# Altium PCB Adapter_M2_B+M_to_E.PcbDoc
Units mm, origin at the board's own origin, x right, y up, seen from the top; angles counter-clockwise.
Board outline 80 x 22 mm, 4 copper layers (01_Top, 02_GND, 03_GND, 04_Bottom), stack 0.801 mm thick; 16 components, 47 nets, 175 pads, 303 vias.
Unrouted connection lines stored in the file: 36.
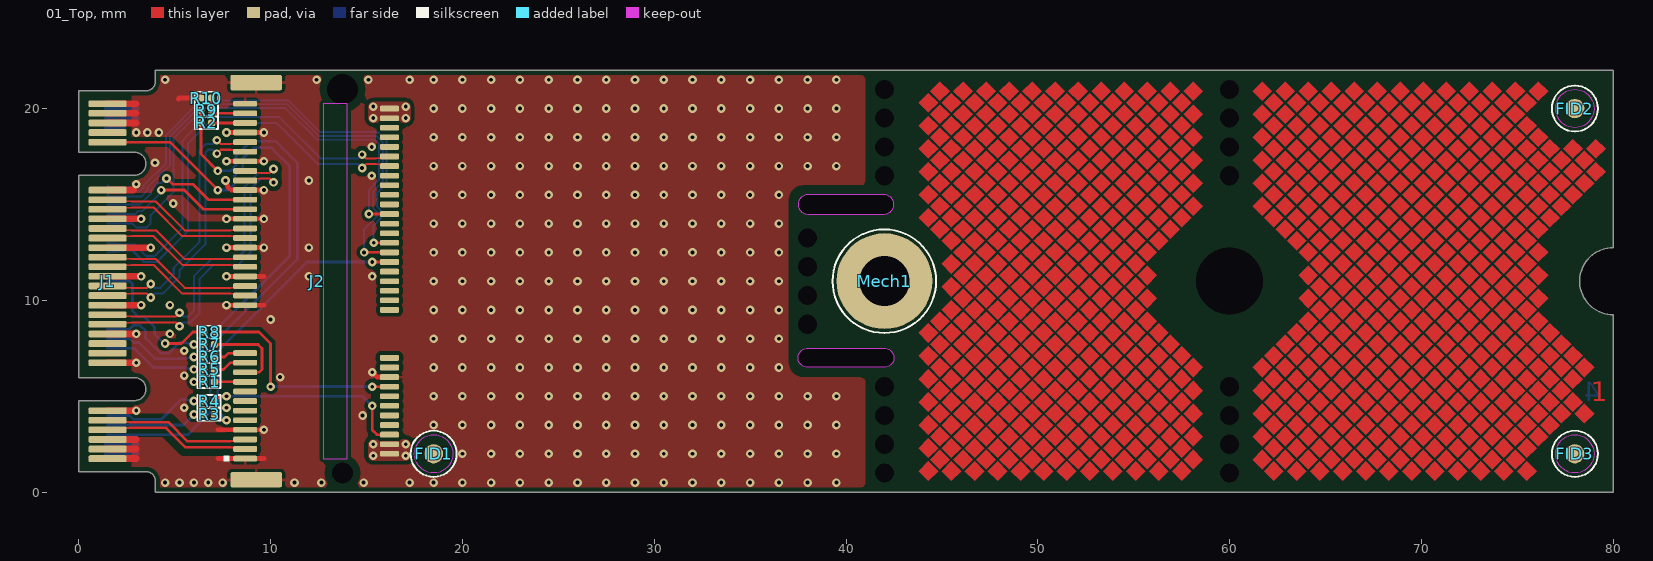
[diagram p0: 01_Top view]
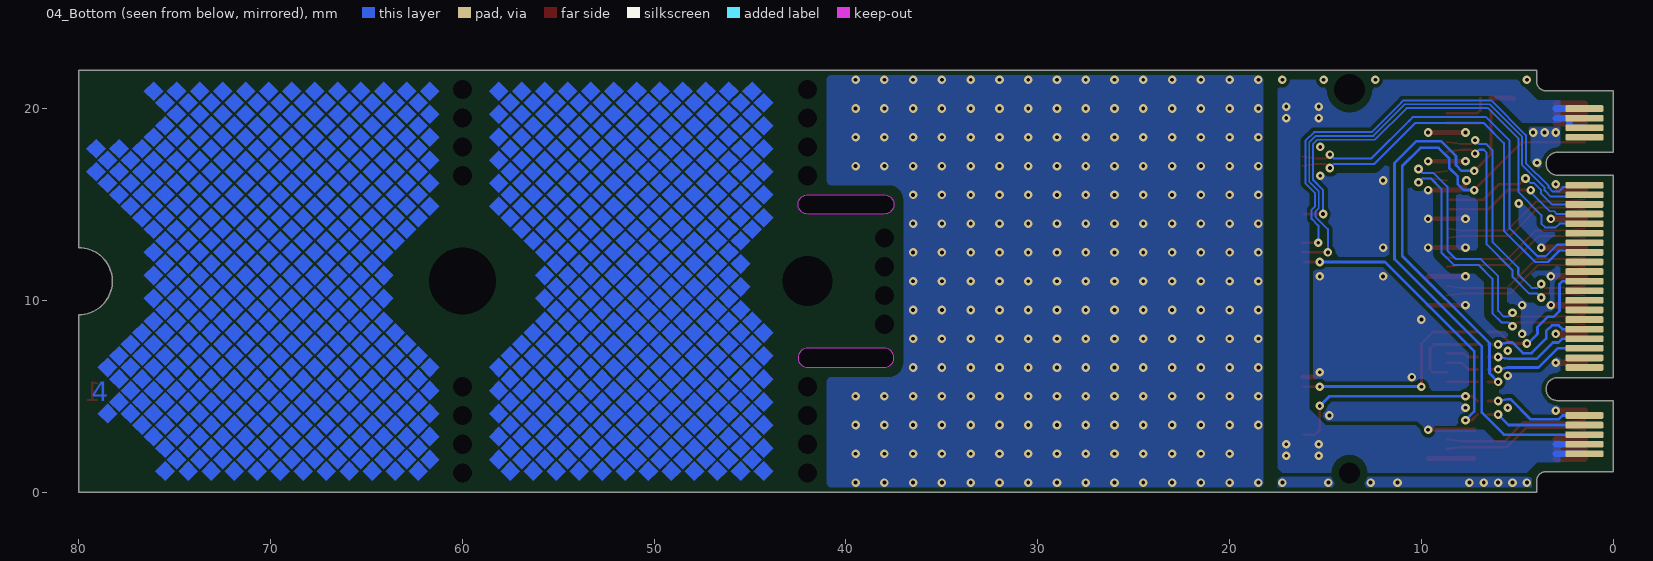
[diagram p1: 04_Bottom view, seen from below]
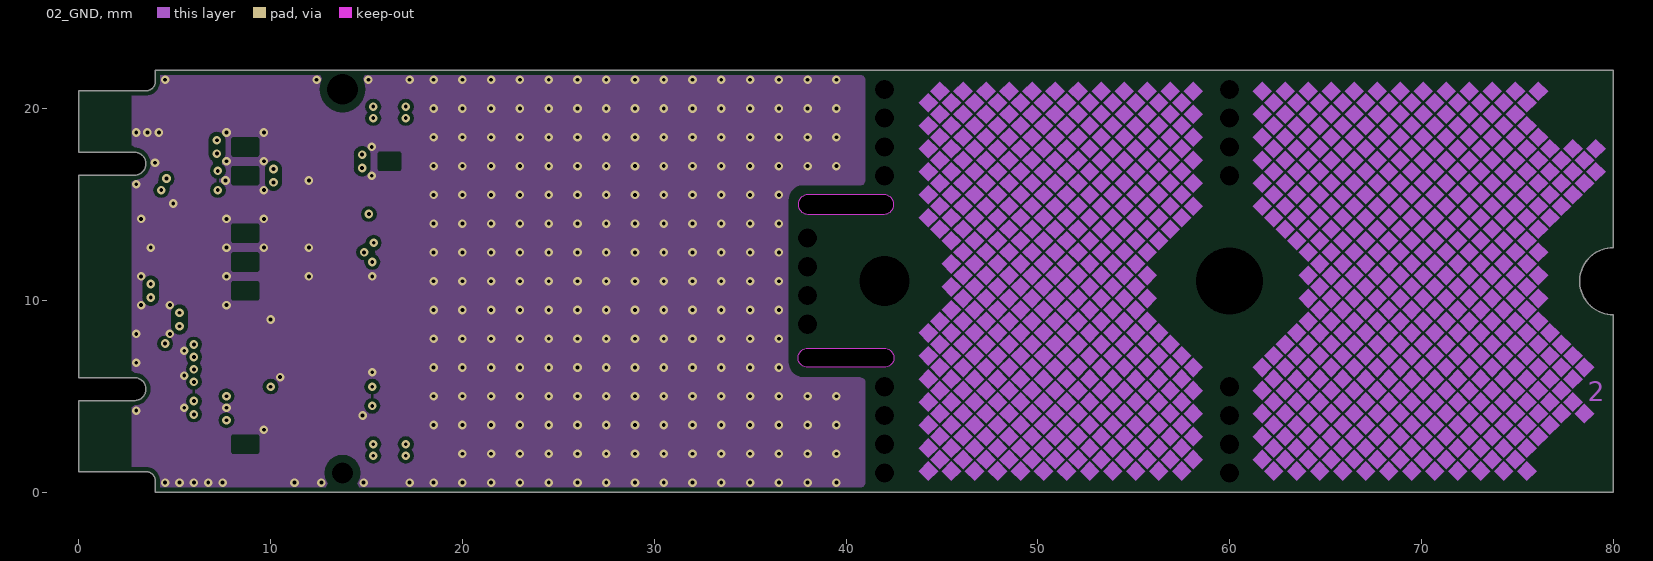
[diagram p2: 02_GND]
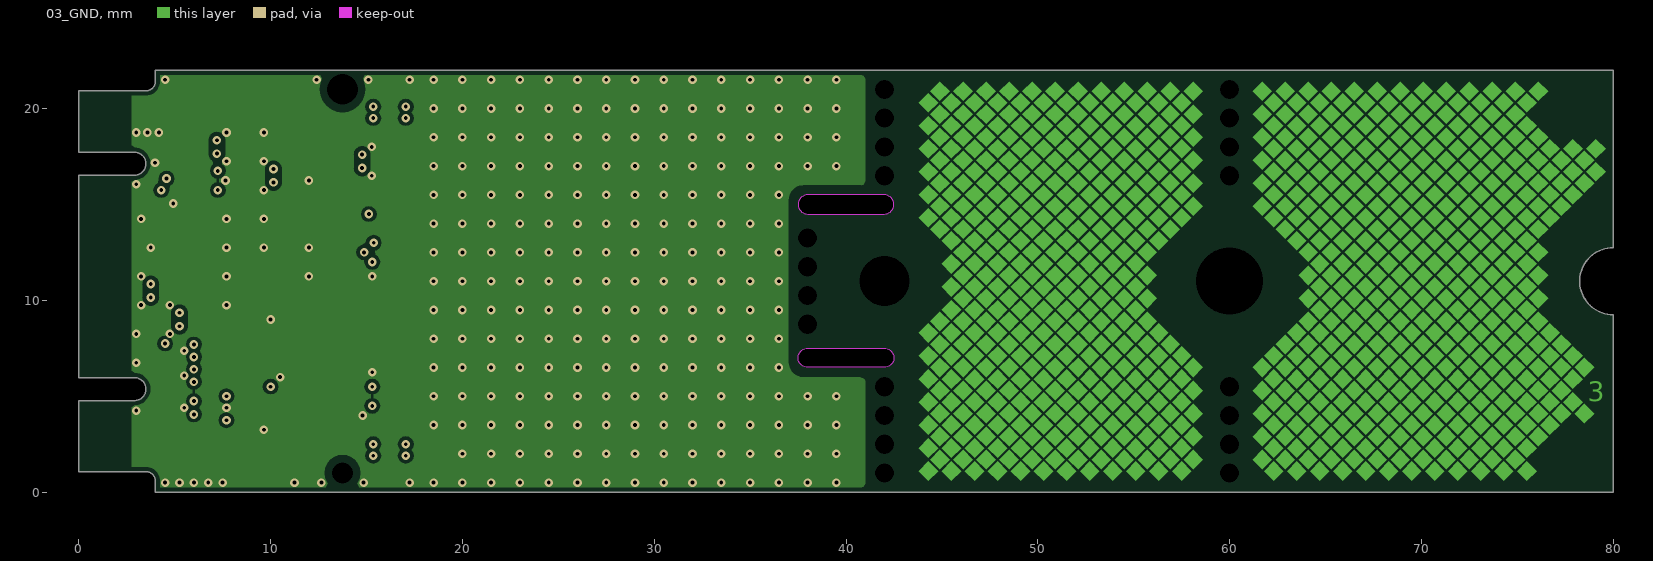
[diagram p3: 03_GND]
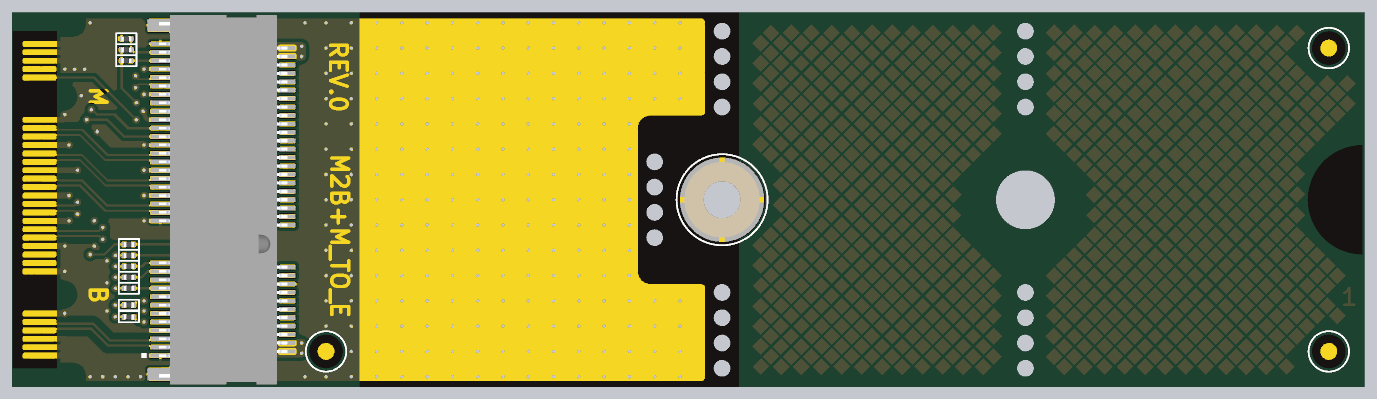
[diagram p4: 3D render of the assembled board from above, using the file's embedded part models]

## Layer stack, top to bottom
Top Solder: solder mask 0.01, Solder Resist, Dk 4
01_Top: signal copper 0.038
PP_01_S1000HB 3313 (57): prepreg 0.0946, PP-006, Dk 4.39
02_GND: signal copper 0.018
C_01_S1000H 2x7628+2116 (18): core 0.5, FR-4, Dk 4.63
03_GND: signal copper 0.018
PP_02_S1000HB 3313 (57): prepreg 0.0946, PP-006, Dk 4.39
04_Bottom: signal copper 0.038
Bottom Solder: solder mask 0.01, Solder Resist, Dk 4

## Board outline
0,1.075 0,4.775 2.9,4.775 ccw(c2.9,5.375) 2.9,5.975 0,5.975 0,16.525 2.9,16.525 ccw(c2.9,17.125) 2.9,17.725 0,17.725 0,20.925 3.5,20.925 ccw(c3.5,21.425) 4,21.425 4,22 80,22 80,12.75 ccw(c80,11) 80,9.25 80,0 4,0 4,0.575 ccw(c3.5,0.575) 3.5,1.075
cut-out: 42,7.5 cw(c42,7) 42,6.5 38,6.5 cw(c38,7) 38,7.5
cut-out: 42,14.5 ccw(c42,15) 42,15.5 38,15.5 ccw(c38,15) 38,14.5

## Design rules (kind name [scope] priority, off if disabled: settings)
BoardOutlineClearance BOC_J1 [InComponent('J1')] p1: gap=0.25 ignorepadtopadclearanceinfootprint=FALSE except(0: Arc-SplitContinuation Track-SplitContinuation SMDPad-SplitContinuation THPad-SplitContinuation Via-SplitContinuation Fill-SplitContinuation Poly-SplitContinuation Region-SplitContinuation Text-SplitContinuation)
BoardOutlineClearance BOC_MH_BRD [InPadClass('MH_BRD')] p2: gap=0 ignorepadtopadclearanceinfootprint=FALSE
BoardOutlineClearance BOC_Default [All] p3: gap=0.25 ignorepadtopadclearanceinfootprint=FALSE except(0: Arc-SplitContinuation Track-SplitContinuation SMDPad-SplitContinuation THPad-SplitContinuation Via-SplitContinuation Fill-SplitContinuation Poly-SplitContinuation Region-SplitContinuation Text-SplitContinuation)
Clearance C_CB [InNamedPolygon('CB')] p1: gap=0.5 ignorepadtopadclearanceinfootprint=FALSE
Clearance C_FID [IsKeepOut vs InPadClass('FID')] p2: gap=0 ignorepadtopadclearanceinfootprint=FALSE
Clearance C_J2-MH [IsKeepOut vs InPadClass('J2-MH')] p3: gap=0 ignorepadtopadclearanceinfootprint=FALSE
Clearance C_Diff [InDifferentialPairClass('90_Ohm') or InDifferentialPairClass('100_Ohm')] p4: gap=0.1 ignorepadtopadclearanceinfootprint=FALSE except(0: Arc-Hole Track-Hole SMDPad-Hole THPad-Hole Via-Hole Fill-Hole Poly-Hole Region-Hole Text-Hole; 0.2: SMDPad-Fill SMDPad-Poly SMDPad-Region THPad-Fill THPad-Poly THPad-Region Via-Fill Via-Poly Via-Region Fill-Fill Fill-Poly Fill-Region Poly-Poly Poly-Region Region-Region; 0.4: Arc-Fill Arc-Poly Arc-Region Track-Fill Track-Poly Track-Region)
Clearance C_MH [InPadClass('MH')] p5: gap=0.4 ignorepadtopadclearanceinfootprint=FALSE
Clearance C_Default [All] p6: gap=0.1 ignorepadtopadclearanceinfootprint=FALSE except(0: Arc-Hole Track-Hole SMDPad-Hole THPad-Hole Via-Hole Fill-Hole Poly-Hole Region-Hole Text-Hole; 0.175: Via-Fill Via-Poly Via-Region; 0.2: Arc-Fill Arc-Poly Arc-Region Track-Fill Track-Poly Track-Region SMDPad-Fill SMDPad-Poly SMDPad-Region THPad-Fill THPad-Poly THPad-Region Fill-Fill Fill-Poly Fill-Region Poly-Poly Poly-Region Region-Region)
ComponentClearance [All] p1: gap=0 collisioncheckmode=3 verticalgap=0 showdistances=FALSE
DiffPairsRouting DP_90_Ohm [InDifferentialPairClass('90_Ohm')] p1: maxlimit=0.165 minlimit=0.165 mostfreqgap=0.165 toplayer_minwidth=0.135 toplayer_maxwidth=0.135 toplayer_prefwidth=0.135 midlayer1_minwidth=0.135 midlayer1_maxwidth=0.135 midlayer1_prefwidth=0.135 midlayer2_minwidth=0.135 midlayer2_maxwidth=0.135 midlayer2_prefwidth=0.135 bottomlayer_minwidth=0.135 bottomlayer_maxwidth=0.135 bottomlayer_prefwidth=0.135 maxuncoupledlength=3
DiffPairsRouting DP_100_Ohm [InDifferentialPairClass('100_Ohm')] p2: maxlimit=0.19 minlimit=0.19 mostfreqgap=0.19 toplayer_minwidth=0.11 toplayer_maxwidth=0.11 toplayer_prefwidth=0.11 midlayer1_minwidth=0.11 midlayer1_maxwidth=0.11 midlayer1_prefwidth=0.11 midlayer2_minwidth=0.11 midlayer2_maxwidth=0.11 midlayer2_prefwidth=0.11 bottomlayer_minwidth=0.11 bottomlayer_maxwidth=0.11 bottomlayer_prefwidth=0.11 maxuncoupledlength=10
HoleSize [All] p1: absolutevalues=TRUE maxlimit=5 minlimit=0.1 maxpercent=80.000 minpercent=20.000
HoleToHoleClearance [All] p1: gap=0.2 allowstackedmicrovias=TRUE
MatchedLengths [All] p1: tolerance=0.1 checknetsindiffpair=TRUE checkdiffpairvsdiffpair=FALSE checkxsignals=FALSE checkothers=FALSE
MinimumSolderMaskSliver [All] p1: minsoldermaskwidth=0.1
PolygonConnect [(ObjectKind = 'Poly') And (Name = 'Direct')] p1: connectstyle=Direct reliefconductorwidth=0.254 reliefentries=4 polygonreliefangle="90 Angle" airgapwidth=0.254
PolygonConnect PC_Polygon_Direct [InNamedPolygon('Direct')] p2: connectstyle=Direct reliefconductorwidth=0.254 reliefentries=4 polygonreliefangle="90 Angle" airgapwidth=0.254
PolygonConnect PC_Default [All] p3: thpad.connectstyle=Relief thpad.reliefconductorwidth=0.2 thpad.reliefentries=4 thpad.polygonreliefangle="90 Angle" thpad.airgapwidth=0.2 smdpad.connectstyle=Relief smdpad.reliefconductorwidth=0.15 smdpad.reliefentries=4 smdpad.polygonreliefangle="90 Angle" smdpad.airgapwidth=0.15 via.connectstyle=Direct via.reliefconductorwidth=0.254 via.reliefentries=4 via.polygonreliefangle="90 Angle" via.airgapwidth=0.254
RoutingVias [All] p1: holewidth=0.2 width=0.45 viastyle="Through Hole" minholewidth=0.2 minwidth=0.4 maxholewidth=0.3 maxwidth=0.6
SilkToSilkClearance [All] p1: silktosilkclearance=0
SilkToSolderMaskClearance [IsPad] p1: minsilkscreentomaskgap=0 clearancetoexposedcopper=TRUE
SolderMaskExpansion [All] p1: expansion=0.05 istentingtop=FALSE
Width [All] p1: maxlimit=0.35 minlimit=0.1 preferedwidth=0.14
23 further rules are at their usual default settings.

## Classes and differential pairs
pad class MH: Free-MH1 Free-MH2 Free-MH3 J2-MH
pad class FID: FID1-FID FID2-FID FID3-FID
pad class MH_BRD: J2-MH
pad class J2-MH: J2-MH
differential pair class 90_Ohm: USB_D
differential pair class 100_Ohm: GTP_REF GTP_RX0 GTP_RX1 GTP_TX0 GTP_TX1 M2_AFEREF
differential pair M2_AFEREF: +M2_AFEREF_P -M2_AFEREF_N
differential pair USB_D: +USB_D_P -USB_D_N
differential pair GTP_TX1: +GTP_TX1_P -GTP_TX1_N
differential pair GTP_TX0: +GTP_TX0_P -GTP_TX0_N
differential pair GTP_RX1: +GTP_RX1_P -GTP_RX1_N
differential pair GTP_RX0: +GTP_RX0_P -GTP_RX0_N
differential pair GTP_REF: +GTP_REF_P -GTP_REF_N

## Components (designator, comment, footprint, x,y, rotation, side; value= is the part's Value field where it differs from the comment)
FID1 "Fiducial" Fiducial_2D 18.5,2 r0 top
FID2 "Fiducial" Fiducial_2D 78,20 r0 top
FID3 "Fiducial" Fiducial_2D 78,2 r0 top
J1 "Edge connector M.2 B-M" EDGE_CONN_M.2_KEY_B-M 0,11 r270 top value="M.2 Key B-M"
J2 "SM3ZS067U215AER1500" JAE_SM3ZS067U215AER1500 13.75,11 r90 top locked
Mech1 "SM3ZS067U215-NUT1-R2500" JAE_SM3ZS067U215-NUT1 42,11 r90 top
R1 "Res-0201-0-5%" RESC60X30X35L15N 6.8,5.75 r180 top value=0
R2 "Res-0201-0-5%" RESC60X30X35L15N 6.65,19.25 r0 top value=0
R3 "Res-0201-0-5%" RESC60X30X35L15N 6.8,4.05 r0 top value=0
R4 "Res-0201-0-5%" RESC60X30X35L15N 6.8,4.75 r0 top value=0
R5 "Res-0201-0-5%" RESC60X30X35L15N 6.8,6.4 r0 top value=0
R6 "Res-0201-0-5%" RESC60X30X35L15N 6.8,7.05 r0 top value=0
R7 "Res-0201-0-5%" RESC60X30X35L15N 6.8,7.7 r0 top value=0
R8 "Res-0201-0-5%" RESC60X30X35L15N 6.8,8.35 r0 top value=0
R9 "Res-0201-0-5%" RESC60X30X35L15N 6.65,19.9 r0 top value=0
R10 "Res-0201-0-5%" RESC60X30X35L15N 6.65,20.55 r0 top value=0

## Footprints (in the part's own frame and the unit in brackets; to place one, negate y for a bottom-side part, rotate by r counter-clockwise, add the part's x,y. Pads: shape width x height; smd on the part's side, far side on the other; paste and mask are expansions set on the pad)
EDGE_CONN_M.2_KEY_B-M [mm]
  rrect50% 0.35x2 smd paste-99 mask-99: 1(9.25,1.5) 3(8.75,1.5) 5(8.25,1.5) 7(7.75,1.5) 9(7.25,1.5) 11(6.75,1.5) 21(4.25,1.5) 23(3.75,1.5) 25(3.25,1.5) 27(2.75,1.5) 29(2.25,1.5) 31(1.75,1.5) 33(1.25,1.5) 35(0.75,1.5) 37(0.25,1.5) 39(-0.25,1.5) 41(-0.75,1.5) 43(-1.25,1.5) 45(-1.75,1.5) 47(-2.25,1.5) 49(-2.75,1.5) 51(-3.25,1.5) 53(-3.75,1.5) 55(-4.25,1.5) 57(-4.75,1.5) 67(-7.25,1.5) 69(-7.75,1.5) 71(-8.25,1.5) 73(-8.75,1.5) 75(-9.25,1.5)
  rrect50% 0.35x2 smd far side paste-99 mask-99: 2(9,1.5) 4(8.5,1.5) 6(8,1.5) 8(7.5,1.5) 10(7,1.5) 20(4.5,1.5) 22(4,1.5) 24(3.5,1.5) 26(3,1.5) 28(2.5,1.5) 30(2,1.5) 32(1.5,1.5) 34(1,1.5) 36(0.5,1.5) 38(0,1.5) 40(-0.5,1.5) 42(-1,1.5) 44(-1.5,1.5) 46(-2,1.5) 48(-2.5,1.5) 50(-3,1.5) 52(-3.5,1.5) 54(-4,1.5) 56(-4.5,1.5) 58(-5,1.5) 68(-7.5,1.5) 70(-8,1.5) 72(-8.5,1.5) 74(-9,1.5)
Fiducial_2D [mm]
  round 1 smd paste-99 mask+0.5: FID(0,0)
  01_Top keep-out region: 1,0 0.924,-0.383 0.707,-0.707 0.383,-0.924 0,-1 0,-1 -0.383,-0.924 -0.707,-0.707 -0.924,-0.383 -1,0 -1,0 -0.924,0.383 -0.707,0.707 -0.383,0.924 0,1 0,1 0.383,0.924 0.707,0.707 0.924,0.383 1,0
  silkscreen extent -1.2,-1.2 1.2,1.2
JAE_SM3ZS067U215-NUT1 [mm]
  round 5 / inner round 0 / far side round 0 hole 2.6 unplated paste-99 mask+0.05: SH(0,0)
  silkscreen extent -2.7,-2.7 2.7,2.7, body extent -2.24,-2.25 2.24,2.25, height 1
JAE_SM3ZS067U215AER1500 [mm]
  rrect50% 0.3x1.25 smd paste-0.025 mask+0.05: 1(-9.25,5.075) 3(-8.75,5.075) 5(-8.25,5.075) 7(-7.75,5.075) 9(-7.25,5.075) 11(-6.75,5.075) 13(-6.25,5.075) 15(-5.75,5.075) 17(-5.25,5.075) 19(-4.75,5.075) 21(-4.25,5.075) 23(-3.75,5.075) 33(-1.25,5.075) 35(-0.75,5.075) 37(-0.25,5.075) 39(0.25,5.075) 41(0.75,5.075) 43(1.25,5.075) 45(1.75,5.075) 47(2.25,5.075) 49(2.75,5.075) 51(3.25,5.075) 53(3.75,5.075) 55(4.25,5.075) 57(4.75,5.075) 59(5.25,5.075) 61(5.75,5.075) 63(6.25,5.075) 65(6.75,5.075) 67(7.25,5.075) 69(7.75,5.075) 71(8.25,5.075) 73(8.75,5.075) 75(9.25,5.075)
  rrect50% 0.3x1 smd paste-0.025 mask+0.05: 2(-9,-2.45) 4(-8.5,-2.45) 6(-8,-2.45) 8(-7.5,-2.45) 10(-7,-2.45) 12(-6.5,-2.45) 14(-6,-2.45) 16(-5.5,-2.45) 18(-5,-2.45) 20(-4.5,-2.45) 22(-4,-2.45) 32(-1.5,-2.45) 34(-1,-2.45) 36(-0.5,-2.45) 38(0,-2.45) 40(0.5,-2.45) 42(1,-2.45) 44(1.5,-2.45) 46(2,-2.45) 48(2.5,-2.45) 50(3,-2.45) 52(3.5,-2.45) 54(4,-2.45) 56(4.5,-2.45) 58(5,-2.45) 60(5.5,-2.45) 62(6,-2.45) 64(6.5,-2.45) 66(7,-2.45) 68(7.5,-2.45) 70(8,-2.45) 72(8.5,-2.45) 74(9,-2.45)
  round 0 hole 1.1 unplated paste-1 mask+0.1: MH(-10,0)
  round 0 hole 1.6 unplated paste-1 mask+0.1: MH(10,0)
  rrect25% 0.8x2.7 smd paste-0.025 mask+0.05: SH(-10.35,4.5) SH(10.35,4.5)
  01_Top keep-out region: -9.25,-0.25 9.25,-0.25 9.25,1 -9.25,1
  silkscreen extent -9.4,5.9 -9.1,6.2, body extent -10.95,-2.45 10.95,5.15, height 2.13
RESC60X30X35L15N [mm] "Resistor, Chip 0201; 0.60 mm L X 0.30 mm W X 0.35 mm H body"
  rrect50% 0.35x0.35 smd paste-0.025 mask+0.05: 1(-0.275,0) 2(0.275,0)
  silkscreen extent -0.6,-0.33 0.6,0.33, body extent -0.32,-0.17 0.32,0.17, height 0.35

## Part data
J1: "Edge connector M.2, Key B-M"
J2: "Conn M.2, Key E, -40/+80, SMD", Manufacturer=JAE
Mech1: "Mech, standoff, M2, 0.35 mm", Manufacturer=JAE
R1 R2 R3 R4 R5 R6 R7 R8 R9 R10: "Resistor, 0, 0.05W, 5%, 0201"

## Free pads (board coordinates)
  round 0 hole 3.5 unplated paste-99 mask+1.5: MH(60,11)
  round 0 hole 1 unplated paste-99 mask+0.1: MH1(38,11.75) MH1(42,4) MH1(42,18) MH1(60,4) MH1(60,18) MH2(38,10.25) MH2(38,13.25) MH2(42,2.5) MH2(42,5.5) MH2(42,16.5) MH2(42,19.5) MH2(60,2.5) MH2(60,5.5) MH2(60,16.5) MH2(60,19.5) MH3(38,8.75) MH3(42,1) MH3(42,21) MH3(60,1) MH3(60,21)

## Via types
v1: diameter 0.45, hole 0.2, 01_Top to 04_Bottom, tented both sides, 303 vias

## Nets (pads, with @x,y where several pads share a name; then routed paths per layer and width w, separated by ;. In a path a pad name is that pad's centre, name@x,y a point inside that pad or via, vN(x,y) a via of type N, cw(c..) or ccw(c..) an arc to the next point about the centre after c; other vN are vias at no path point)
EXTREF_N: J2.73 R9.2 R10.2 | length 2.5
  01_Top w0.14: R10.2 R9.2 6.945,19.9 7.095,19.75 J2.73
EXTREF_P: J2.71 R2.2 | length 1.8
  01_Top w0.14: R2.2 J2.71
GND: J1.1 J1.3 J1.5 J1.11 J1.21 J1.27 J1.33 J1.39 J1.45 J1.51 J1.57 J1.71 J1.73 J1.75 J2.1 J2.7 J2.18 J2.33 J2.39 J2.45 J2.51 J2.57 J2.63 J2.69 J2.75 J2.SH R10.1 | length 43.4
  01_Top w0.25: 5.2,20.5 5.25,20.55 R10.1 ; 7.25,1.75 J2.1 9.65,1.75 ; 7.25,3.25 J2.7 v1(9.65,3.25) ; v1(7.65,16.25) 7.8,15.85 7.95,15.75 J2.57 v1(9.65,15.75) ; v1(7.7,9.75) J2.33 9.65,9.75 ; v1(7.7,11.25) J2.39 9.65,11.25 ; v1(7.7,12.75) J2.45 v1(9.65,12.75) ; v1(7.7,14.25) J2.51 v1(9.65,14.25) ; v1(7.7,17.25) v1(9.65,17.25) ; v1(7.7,18.75) J2.69 v1(9.65,18.75) ; v1(15.3,6.25) 15.55,6 J2.18
  01_Top w0.35: J1.1 3,1.75 ; J1.3 3,2.25 ; J1.5 3,2.75 ; J1.11 v1(3,4.25) ; J1.21 v1(3,6.75) ; J1.27 v1(3,8.25) ; J1.33 v1(3.25,9.75) ; J1.39 v1(3.25,11.25) ; J1.45 v1(3.75,12.75) ; J1.51 v1(3.25,14.25) ; J1.57 2.85,15.75 ; J1.71 3,19.25 ; J1.73 3,19.75 ; J1.75 3,20.25
  other v1: 4.5,0.5 5.25,0.5 6,0.5 6.75,0.5 7.5,0.5 11.25,0.5 12.65,0.5 14.85,0.5 17.25,0.5 18.5,0.5 20,0.5 21.5,0.5 23,0.5 24.5,0.5 26,0.5 27.5,0.5 29,0.5 30.5,0.5 32,0.5 33.5,0.5 35,0.5 36.5,0.5 38,0.5 39.5,0.5 20,2 21.5,2 23,2 24.5,2 26,2 27.5,2 29,2 30.5,2 32,2 33.5,2 35,2 36.5,2 38,2 39.5,2 18.5,3.5 20,3.5 21.5,3.5 23,3.5 24.5,3.5 26,3.5 27.5,3.5 29,3.5 30.5,3.5 32,3.5 33.5,3.5 35,3.5 36.5,3.5 38,3.5 39.5,3.5 14.8,4 5.5,4.4 7.7,4.4 18.5,5 20,5 21.5,5 23,5 24.5,5 26,5 27.5,5 29,5 30.5,5 32,5 33.5,5 35,5 36.5,5 38,5 39.5,5 10.5,6 5.5,6.075 18.5,6.5 20,6.5 21.5,6.5 23,6.5 24.5,6.5 26,6.5 27.5,6.5 29,6.5 30.5,6.5 32,6.5 33.5,6.5 35,6.5 36.5,6.5 5.5,7.375 18.5,8 20,8 21.5,8 23,8 24.5,8 26,8 27.5,8 29,8 30.5,8 32,8 33.5,8 35,8 36.5,8 4.75,8.25 10,9 18.5,9.5 20,9.5 21.5,9.5 23,9.5 24.5,9.5 26,9.5 27.5,9.5 29,9.5 30.5,9.5 32,9.5 33.5,9.5 35,9.5 36.5,9.5 4.75,9.75 18.5,11 20,11 21.5,11 23,11 24.5,11 26,11 27.5,11 29,11 30.5,11 32,11 33.5,11 35,11 36.5,11 12,11.25 15.3,11.25 18.5,12.5 20,12.5 21.5,12.5 23,12.5 24.5,12.5 26,12.5 27.5,12.5 29,12.5 30.5,12.5 32,12.5 33.5,12.5 35,12.5 36.5,12.5 12,12.75 18.5,14 20,14 21.5,14 23,14 24.5,14 26,14 27.5,14 29,14 30.5,14 32,14 33.5,14 35,14 36.5,14 4.925,15.05 18.5,15.5 20,15.5 21.5,15.5 23,15.5 24.5,15.5 26,15.5 27.5,15.5 29,15.5 30.5,15.5 32,15.5 33.5,15.5 35,15.5 36.5,15.5 3,16.05 12,16.25 15.275,16.5 18.5,17 20,17 21.5,17 23,17 24.5,17 26,17 27.5,17 29,17 30.5,17 32,17 33.5,17 35,17 36.5,17 38,17 39.5,17 3.975,17.175 15.275,18 18.5,18.5 20,18.5 21.5,18.5 23,18.5 24.5,18.5 26,18.5 27.5,18.5 29,18.5 30.5,18.5 32,18.5 33.5,18.5 35,18.5 36.5,18.5 38,18.5 39.5,18.5 3,18.75 3.575,18.75 4.175,18.75 18.5,20 20,20 21.5,20 23,20 24.5,20 26,20 27.5,20 29,20 30.5,20 32,20 33.5,20 35,20 36.5,20 38,20 39.5,20 4.5,21.5 12.4,21.5 15.1,21.5 17.25,21.5 18.5,21.5 20,21.5 21.5,21.5 23,21.5 24.5,21.5 26,21.5 27.5,21.5 29,21.5 30.5,21.5 32,21.5 33.5,21.5 35,21.5 36.5,21.5 38,21.5 39.5,21.5
GPIO0: J2.38
GPIO1: J2.40
GPIO3: J1.56 J2.44 | length 25.8
  01_Top w0.14: v1(14.875,12.5) J2.44
  04_Bottom w0.1: J1.56 1.594,15.406 3.248,15.406 3.575,15.733 3.575,15.812 3.575,15.88 4.75,17.055 4.75,18.533 6.442,20.225 10.858,20.225 12.508,18.575 15.513,18.575 15.85,18.238 15.85,16.192 15.353,15.695 15.353,14.803 15.52,14.635 15.52,14.375 15.5,14.355 15.5,14.345 14.875,13.72 v1(14.875,12.5)
GPIO4: J1.58 J2.46 | length 25
  01_Top w0.14: v1(15.375,13) J2.46
  04_Bottom w0.1: J1.58 1.594,15.906 2.614,15.906 2.845,15.675 3.155,15.675 3.375,15.895 3.375,15.963 4.55,17.138 4.55,18.616 6.359,20.425 10.941,20.425 11.058,20.308 12.591,18.775 15.596,18.775 16.05,18.321 16.05,16.109 15.553,15.612 15.553,14.886 15.72,14.718 15.72,14.245 15.375,13.9 v1(15.375,13)
GPIO5: J2.48
GPIO6: J2.54
GPIO7: J2.56
GPIO8: J2.32
GPIO9: J2.34
GPIO10: J2.36
GPIO11: J2.22
GPLED0: J2.6 R4.2 | length 10.7
  01_Top w0.14: v1(15.3,4.5) 15.3,3.25 15.55,3 J2.6@16.125,3
  01_Top w0.15: R4.2 7.325,5 v1(7.7,5)
  04_Bottom w0.15: v1(7.7,5) 14.8,5 v1(15.3,4.5)
GPLED1: J2.16 R8.2 | length 11.5
  01_Top w0.14: v1(15.3,5.5) J2.16@16.125,5.5
  01_Top w0.15: R8.2 9.4,8.35 10,7.75 v1(10,5.5)
  04_Bottom w0.15: v1(10,5.5) v1(15.3,5.5)
GPS_1PPS: J2.42 R3.2 | length 15.3
  01_Top w0.14: v1(15.3,12) J2.42@16.125,12
  01_Top w0.15: R3.2 7.375,3.75 v1(7.7,3.75)
  04_Bottom w0.14: v1(7.7,3.75) 7.25,4.2 7.25,7.35 11.9,12 v1(15.3,12)
GTP_REF_N: J1.55 J2.49 | length 7.8
  01_Top w0.11: J1.55 2.75,15.15 4.024,15.15 5.524,13.65 7.9,13.65 J2.49
GTP_REF_P: J1.53 J2.47 | length 7.8
  01_Top w0.11: J1.53 2.75,14.85 3.9,14.85 5.4,13.35 7.9,13.35 J2.47
GTP_RX0_N: J1.49 J2.43 | length 7.8
  01_Top w0.11: J1.49 2.75,13.65 4.024,13.65 5.524,12.15 7.9,12.15 J2.43
GTP_RX0_P: J1.47 J2.41 | length 7.8
  01_Top w0.11: J1.47 2.75,13.35 3.9,13.35 5.4,11.85 7.9,11.85 J2.41
GTP_RX1_N: J1.37 J2.67 | length 13.6
  01_Top w0.11: J1.37 2.75,10.65 3.55,10.65 v1(3.75,10.85) ; v1(7.2,18.35) 7.4,18.15 7.9,18.15 J2.67
  04_Bottom w0.11: v1(3.75,10.85) 3.95,10.65 4.25,10.65 4.95,11.35 4.95,11.7 6.3,13.05 6.3,17.824 6.626,18.15 7,18.15 v1(7.2,18.35)
GTP_RX1_P: J1.35 J2.65 | length 13.6
  01_Top w0.11: J1.35 2.75,10.35 3.55,10.35 v1(3.75,10.15) ; v1(7.2,17.65) 7.4,17.85 7.9,17.85 J2.65
  04_Bottom w0.11: v1(3.75,10.15) 3.95,10.35 4.374,10.35 5.25,11.226 5.25,11.576 6.6,12.926 6.6,17.7 6.75,17.85 7,17.85 v1(7.2,17.65)
GTP_TX0_N: J1.43 J2.37 | length 7.8
  01_Top w0.11: J1.43 2.75,12.15 4.024,12.15 5.524,10.65 7.9,10.65 J2.37
GTP_TX0_P: J1.41 J2.35 | length 7.8
  01_Top w0.11: J1.41 2.75,11.85 3.9,11.85 5.4,10.35 7.9,10.35 J2.35
GTP_TX1_N: J1.31 J2.61 | length 16.6
  01_Top w0.11: J1.31 2.75,9.15 5.05,9.15 v1(5.25,9.35) ; J2.61 9.45,16.65 9.95,16.65 v1(10.15,16.85)
  04_Bottom w0.11: v1(5.25,9.35) 5.45,9.15 5.7,9.15 6,9.45 6,11.25 6.9,12.15 8.2,12.15 8.65,12.6 8.65,15.924 9.376,16.65 9.95,16.65 v1(10.15,16.85)
GTP_TX1_P: J1.29 J2.59 | length 16.6
  01_Top w0.11: J1.29 2.75,8.85 5.05,8.85 v1(5.25,8.65) ; J2.59 9.45,16.35 9.95,16.35 v1(10.15,16.15)
  04_Bottom w0.11: v1(5.25,8.65) 5.45,8.85 5.824,8.85 6.3,9.326 6.3,11.126 7.024,11.85 8.324,11.85 8.95,12.476 8.95,15.8 9.5,16.35 9.95,16.35 v1(10.15,16.15)
M2_AFEREF_N: J1.44 J2.62 | length 21.7
  01_Top w0.11: v1(14.775,16.9) 14.975,17.1 15.5,17.1 J2.62
  04_Bottom w0.11: J1.44 2.65,12.6 2.8,12.6 3.4,12 4.074,12 5.7,13.626 5.7,18.2 6.75,19.25 10.326,19.25 10.509,19.066 12.476,17.1 14.575,17.1 v1(14.775,16.9)
M2_AFEREF_P: J1.46 J2.64 | length 21.7
  01_Top w0.11: v1(14.775,17.6) 14.975,17.4 15.5,17.4 J2.64
  04_Bottom w0.11: J1.46 2.65,12.9 2.924,12.9 3.524,12.3 3.95,12.3 5.4,13.75 5.4,18.324 6.626,19.55 10.45,19.55 10.634,19.366 12.6,17.4 14.575,17.4 v1(14.775,17.6)
NetJ1_6: J1.6 R2.1 R9.1 | length 29.8
  01_Top w0.15: R9.1 R2.1 6.375,17.625 v1(7.25,16.75)
  04_Bottom w0.14: J1.6 5.7,3 6.85,4.15 6.85,7.6 11.4,12.15 11.4,17.166 10.266,18.3 8.984,18.3 8.2,17.516 8.2,17.05 7.9,16.75 v1(7.25,16.75)
NetJ1_8: J1.8 R3.1 | length 5.3
  01_Top w0.14: v1(6,4.05) R3.1
  04_Bottom w0.14: J1.8 5.45,3.5 v1(6,4.05)
NetJ1_10: J1.10 R4.1 | length 5.6
  01_Top w0.15: v1(6,4.75) R4.1
  04_Bottom w0.14: J1.10 2.65,4 2.85,3.8 4.3,3.8 5.35,4.85 5.5,4.85 v1(6,4.75)
NetJ1_24: J1.24 R5.1 | length 5.4
  01_Top w0.14: v1(6,6.4) R5.1
  04_Bottom w0.14: J1.24 2.9,7.5 3.9,6.5 5.5,6.5 v1(6,6.4)
NetJ1_26: J1.26 R6.1 | length 5.5
  01_Top w0.14: v1(6,7.05) R6.1
  04_Bottom w0.14: J1.26 2.65,8 2.85,7.8 3.15,7.8 4,6.95 5.5,6.95 v1(6,7.05)
NetJ1_28: J1.28 R7.1 | length 6.2
  01_Top w0.14: v1(6,7.7) R7.1
  04_Bottom w0.14: J1.28 2.65,8.5 2.85,8.7 3.2,8.7 3.5,8.4 3.5,8 4.25,7.25 4.7,7.25 5.25,7.8 5.5,7.8 v1(6,7.7)
NetJ1_38: J1.38 R8.1 | length 7.6
  01_Top w0.14: v1(4.5,7.75) 5.35,7.75 5.95,8.35 R8.1
  04_Bottom w0.14: J1.38 2.65,11 2.8,10.85 2.8,9.45 3.1,9.15 3.4,9.15 3.95,8.6 3.95,8.25 4.45,7.75 v1(4.5,7.75)
NetJ1_67: J1.67 R1.2 | length 26.2
  01_Top w0.14: J1.67 4.75,18.25 v1(7.25,15.75)
  01_Top w0.15: v1(6,5.75) R1.2
  04_Bottom w0.14: v1(6,5.75) 6.45,6.2 6.45,7.766 11,12.316 11,13.25 11,17 10.05,17.95 9.1,17.95 8.55,17.4 8.55,16.9 8.1,16.45 8.1,16.05 7.8,15.75 v1(7.25,15.75)
PCI_CLKREQ#: J1.52 J2.53 | length 7.7
  01_Top w0.14: v1(4.3,15.75) 5.5,15.75 6.5,14.75 J2.53@8.525,14.75
  04_Bottom w0.1: J1.52 2.941,14.5 3.086,14.645 3.32,14.645 4.183,15.508
PCI_PERST#: J1.50 J2.52 | length 24.2
  01_Top w0.14: v1@15.3,14.5 J2.52@16.125,14.5
  04_Bottom w0.1: J1.50 2.8,14 3,13.8 3.55,13.8 3.75,14 3.75,14.45 4.95,15.65 4.95,18.45 6.525,20.025 10.775,20.025 12.425,18.375 15.43,18.375 15.65,18.155 15.65,16.275 15.125,15.75 v1(15.125,14.5)
PCI_WAKE#: J1.54 J2.55 | length 8.1
  01_Top w0.14: v1(4.575,16.35) 4.606,16.35 4.898,16.058 5.942,16.058 6.75,15.25 J2.55@8.525,15.25
  04_Bottom w0.1: J1.54 3.2,15 3.775,15.575 3.775,15.755 4.145,16.125 4.325,16.125 4.55,16.35 v1(4.575,16.35)
TCK: J2.19 R7.2 | length 4.6
  01_Top w0.14: R7.2 9.35,7.7 9.55,7.5 9.55,6.4 9.4,6.25 J2.19
TDI: J2.21 R5.2 | length 1.7
  01_Top w0.14: R5.2 7.55,6.4 7.9,6.75 J2.21
TDO: J2.23 R6.2 | length 1.7
  01_Top w0.14: R6.2 7.6,7.05 7.8,7.25 J2.23
TMS: J2.17 R1.1 | length 1.6
  01_Top w0.14: R1.1 J2.17
USB_D_N: J1.9 J2.5 | length 7.6
  01_Top w0.135: J1.9 2.65,3.65 4.674,3.65 5.674,2.65 7.9,2.65 J2.5
USB_D_P: J1.7 J2.3 | length 7.6
  01_Top w0.135: J1.7 2.65,3.35 4.55,3.35 5.55,2.35 7.9,2.35 J2.3
VCC3P3: J1.2 J1.4 J1.70 J1.72 J1.74 J2.2 J2.4 J2.72 J2.74 | length 7.3
  04_Bottom w0.35: J1.2 3,2 ; J1.4 3,2.5 ; J1.70 2.3,19 J1.72@2.3,19.5 ; J1.72 3,19.5 ; J1.74 3,20
  other v1: 15.35,1.9 17.05,1.9 15.35,2.5 17.05,2.5 15.35,19.5 17.05,19.5 15.35,20.1 17.05,20.1
pads on no net: FID1.FID FID2.FID FID3.FID J1.20 J1.22 J1.23 J1.25 J1.30 J1.32 J1.34 J1.36 J1.40 J1.42 J1.48 J1.68 J1.69 J2.8 J2.9 J2.10 J2.11 J2.12 J2.13 J2.14 J2.15 J2.20 J2.50 J2.58 J2.60 J2.66 J2.68 J2.70 J2.MH Mech1.SH

## Polygon pours and split planes (outlines as drawn)
GND on 04_Bottom "NONET_L-01_P-001" (solid, remove dead copper, pour order 3): 2.75,22 17.5,22 17.5,0 2.75,0
VCC3P3 on 04_Bottom "NONET_L-01_P-001" (solid, remove dead copper, pour order 0): 15,3.5 10.3,3.5 10.05,3.25 6.75,3.25 6.175,2.675 2.75,2.675 2.75,1.55 3.95,1.55 4.5,1 17.25,1 17.5,1.25 17.5,21.25 17.25,21.5 5,21.5 3.925,20.425 2.75,20.425 2.75,19.25 4.75,19.25 6,20.5 10.95,20.5 12.6,18.85 15.65,18.85 16.15,18.35 16.15,16 15.85,15.7 15.85,4.35
GND on 04_Bottom "NONET_L-01_P-001" (solid, remove dead copper, pour order 8): 37.75,16 40.75,16 ccw(c40.75,16.25) 41,16.25 41,21.5 ccw(c40.75,21.5) 40.75,21.75 18.5,21.75 ccw(c18.5,21.5) 18.25,21.5 18.25,0.5 ccw(c18.5,0.5) 18.5,0.25 40.75,0.25 ccw(c40.75,0.5) 41,0.5 41,5.75 ccw(c40.75,5.75) 40.75,6 37.75,6 cw(c37.75,6.75) 37,6.75 37,15.25 cw(c37.75,15.25)
GND on 01_Top "01_Top-GND" (solid, remove dead copper, pour order 9): 40.75,0.25 ccw(c40.75,0.5) 41,0.5 41,5.75 ccw(c40.75,5.75) 40.75,6 37.75,6 cw(c37.75,6.75) 37,6.75 37,15.25 cw(c37.75,15.25) 37.75,16 40.75,16 ccw(c40.75,16.25) 41,16.25 41,21.5 ccw(c40.75,21.5) 40.75,21.75 2.75,21.75 2.75,0.25 18.6,0.25
VCC3P3 on 01_Top "Direct" (solid, remove dead copper, pour order 2): 15.35,20.35 17.05,20.35 cw(c17.05,20.1) 17.3,20.1 17.3,19.5 cw(c17.05,19.5) 17.05,19.25 15.35,19.25 cw(c15.35,19.5) 15.1,19.5 15.1,20.1 cw(c15.35,20.1)
VCC3P3 on 01_Top "Direct" (solid, remove dead copper, pour order 1): 15.35,2.75 17.05,2.75 cw(c17.05,2.5) 17.3,2.5 17.3,1.9 cw(c17.05,1.9) 17.05,1.65 15.35,1.65 cw(c15.35,1.9) 15.1,1.9 15.1,2.5 cw(c15.35,2.5)
GND on 02_GND "02_GND-GND" (solid, remove dead copper, pour order 12): 40.75,0.25 ccw(c40.75,0.5) 41,0.5 41,5.75 ccw(c40.75,5.75) 40.75,6 37.75,6 cw(c37.75,6.75) 37,6.75 37,15.25 cw(c37.75,15.25) 37.75,16 40.75,16 ccw(c40.75,16.25) 41,16.25 41,21.5 ccw(c40.75,21.5) 40.75,21.75 2.75,21.75 2.75,0.25 19.05,0.25
GND on 03_GND "03_GND-GND" (solid, remove dead copper, pour order 13): 40.75,0.25 ccw(c40.75,0.5) 41,0.5 41,5.75 ccw(c40.75,5.75) 40.75,6 37.75,6 cw(c37.75,6.75) 37,6.75 37,15.25 cw(c37.75,15.25) 37.75,16 40.75,16 ccw(c40.75,16.25) 41,16.25 41,21.5 ccw(c40.75,21.5) 40.75,21.75 2.75,21.75 2.75,0.25 18.5,0.25

## Other copper
01_Top:
  drawing of 816 lines, arcs and shapes, not listed
  text "1" at 78.833,4.75 h1
02_GND:
  drawing of 823 lines, arcs and shapes, not listed
  text "2" at 78.667,4.75 h1
03_GND:
  drawing of 816 lines, arcs and shapes, not listed
  text "3" at 78.667,4.75 h1
04_Bottom:
  drawing of 816 lines, arcs and shapes, not listed
  text "4" at 79.333,4.75 h1
Multi-Layer:
  pour cut-out: 5.675,9.35 5.675,8.65 cw(c5.25,8.65) 5.25,8.225 cw(c5.25,8.65) 4.825,8.65 4.825,9.35 cw(c5.25,9.35) 5.25,9.775 cw(c5.25,9.35)
  pour cut-out: 15.2,17.6 15.2,16.9 cw(c14.775,16.9) 14.775,16.475 cw(c14.775,16.9) 14.35,16.9 14.35,17.6 cw(c14.775,17.6) 14.775,18.025 cw(c14.775,17.6)
  pour cut-out: 10.575,16.85 10.575,16.15 cw(c10.15,16.15) 10.15,15.725 cw(c10.15,16.15) 9.725,16.15 9.725,16.85 cw(c10.15,16.85) 10.15,17.275 cw(c10.15,16.85)
  pour cut-out: 7.625,18.35 7.625,17.65 cw(c7.2,17.65) 7.2,17.225 cw(c7.2,17.65) 6.775,17.65 6.775,18.35 cw(c7.2,18.35) 7.2,18.775 cw(c7.2,18.35)
  pour cut-out: 4.175,10.85 4.175,10.15 cw(c3.75,10.15) 3.75,9.725 cw(c3.75,10.15) 3.325,10.15 3.325,10.85 cw(c3.75,10.85) 3.75,11.275 cw(c3.75,10.85)

## Silkscreen, mask and mechanical layers (free items; w line width, h text height)
Top Solder:
  rectangle: 20.5,-0.25 43,22.25
  region: 80,7.75 cw(c80,11) 80,14.25
  text "REV.0" at 18.75,20.3 h1 r270
  text "M2B+M_TO_E" at 18.833,13.614 h1 r270
Bottom Solder:
  rectangle: 17.9,-0.25 43,22.25
  region: 80,14.25 ccw(c80,11) 80,7.75
Board:
  lines w0.25: 0,5.975 2.9,5.975 cw(c2.9,5.375) 2.9,4.775 0,4.775 0,1.075 3.5,1.075 ; 0,5.975 0,5.975 ; 0,5.975 0,16.525 2.9,16.525 ccw(c2.9,17.125) 2.9,17.725 0,17.725 ; 0,17.725 0,17.725 ; 0,17.725 0,20.925 3.5,20.925 ccw(c3.5,21.425) 4,21.425 4,22 ; 3.5,1.075 cw(c3.5,0.575) 4,0.575 4,0 ; 3.5,1.075 3.5,1.075 ; 3.5,1.075 3.5,1.075 ; 4,0 80,0 80,9.25 cw(c80,11) 80,12.75 80,22 4,22 ; 4,0 4,0 ; 4,22 4,22 ; 38,6.5 cw(c38,7) 38,7.5 42,7.5 cw(c42,7) 42,6.5 38,6.5 ; 38,14.5 cw(c38,15) 38,15.5 42,15.5 cw(c42,15) 42,14.5 38,14.5
Drill Drawing:
  drawing of 430 lines, arcs and shapes, not listed
  text "1." at 0.15,92.75 h1.5
  text "Used material - S1000H" at 4.15,92.714 h1.5
  text "Stack-Up" at 91.007,91.75 h2
  text "Number of layers - 4" at 4.15,89 h1.5
  text "2." at 0.15,88.75 h1.5
  text "Silkscreen Top" at 111.4,88.143 h1
  text "Soldermask Top" at 111.4,86.167 h1
  text "Board thickness - 0.8mm +/-10%" at 4.15,84.822 h1.5
  text "3." at 0.15,84.75 h1.5
  text "Copper Plating" at 111.4,83.893 h1
  text "Layer 1 (43um)" at 71.95,82.572 h1
  text "Copper Foil" at 111.4,81.393 h1
  text "Thickness of outer layer (Cu) - 43um include copper plating" at 4.15,80.857 h1.5
  text "4." at 0.15,80.75 h1.5
  text "Prepreg" at 111.4,78.667 h1
  text "S1000HB 3313 (57) - 100um" at 119.4,78.572 h1
  text "Thickness of inner layers (Cu) - 18um" at 4.15,76.857 h1.5
  text "5." at 0.15,76.75 h1.5
  text "Layer 2 (18um)" at 72.2,76.072 h1
  text "Core" at 111.4,75 h1
  text "S1000H 2x7628+2116 - 500um" at 119.4,75 h1
  text "Layer 3 (18um)" at 72.2,74.072 h1
  text "Solder Mask - Two sides, Green" at 4.15,72.857 h1.5
  text "6." at 0.15,72.75 h1.5
  text "Prepreg" at 111.399,71.667 h1
  text "S1000HB 3313 (57) - 100um" at 119.399,71.572 h1
  text "Layer 4 (43um)" at 72.042,69.072 h1
  text "Copper Foil" at 111.4,68.893 h1
  text "7." at 0.15,68.75 h1.5
  text "Silkscreen - No" at 4.15,68.714 h1.5
  text "Copper Plating" at 111.4,66.393 h1
  text "Type of coating - ENIG" at 4.15,64.964 h1.5
  text "8." at 0.15,64.75 h1.5
  text "Soldermask Top" at 111.4,64.167 h1
  text "Silkscreen Top" at 111.4,62.143 h1
  text "Edge Connector - Hard Gold Au 0,2-0,5um/Ni 5um" at 4.15,60.964 h1.5
  text "9." at 0.15,60.75 h1.5
  text "Electrical Test on both side (use Adapter_M2_B+M_to_E.ipc file)" at 4.15,56.857 h1.5
  text "10." at 0.15,56.75 h1.5
  text "Min dia of plated hole - 0.2mm" at 4.15,52.964 h1.5
  text "11." at 0.15,52.75 h1.5
  text "Min trace width/clearance - 0.1mm/0.1mm" at 4.15,48.822 h1.5
  text "12." at 0.15,48.75 h1.5
  text "Impedance control - Yes, see details" at 4.15,44.964 h1.5
  text "13." at 0.15,44.75 h1.5
  text "Impedance tolerance - 10%" at 4.15,41 h1.5
  text "14." at 0.15,40.75 h1.5
  text "15." at 0.15,36.75 h1.5
  text "Board dimensions -  80mm x 22mm" at 4.15,36.714 h1.5
  text "+" at 10.483,32.45 h0.5
  text "5ш" at 11.15,32.3 h0.75
  text "20ш" at 8.7,32.25 h0.75
  text "-" at 10.483,32.1 h0.5
  text "+" at 4.933,27.6 h0.5
  text "0.3" at 2.713,27.375 h0.75
  text "0.25 mm" at 5.538,27.375 h0.75
  text "-" at 4.933,27.25 h0.5
  text "Impedance Requirement Table" at 24.544,-6.7 h2
  text "Ref. Layer" at 26.246,-10.75 h1.5
  text "Trace" at 44.722,-11.25 h1.5
  text "Trace" at 57.746,-11.25 h1.5
  text "Ground" at 68.996,-11.25 h1.5
  text "Type" at 3.246,-12.75 h1.5
  text "Layer" at 13.746,-12.75 h1.5
  text "Impedance" at 78.746,-12.75 h1.5
  text "Width" at 44.746,-13.5 h1.5
  text "Separation" at 55.746,-13.5 h1.5
  text "Spacing" at 68.746,-13.5 h1.5
  text "Upper" at 23.996,-14.75 h1.5
  text "Lower" at 32.996,-14.75 h1.5
  text "-" at 25.982,-18.143 h1.5
  text "-" at 71.857,-18.143 h1.5
  text "1" at 16.321,-18.25 h1.5
  text "2" at 35.375,-18.25 h1.5
  text "0.135" at 44.629,-18.25 h1.5
  text "0.165" at 58.168,-18.25 h1.5
  text "90 Ohm" at 79.829,-18.25 h1.5
  text "Differential" at 0.355,-18.286 h1.5
  text "-" at 25.982,-21.143 h1.5
  text "-" at 71.857,-21.143 h1.5
  text "1" at 16.321,-21.25 h1.5
  text "2" at 35.375,-21.25 h1.5
  text "0.110" at 44.747,-21.25 h1.5
  text "0.190" at 58.129,-21.25 h1.5
  text "100 Ohm" at 79.28,-21.25 h1.5
  text "Differential" at 0.355,-21.286 h1.5
  text "-" at 25.982,-24.143 h1.5
  text "-" at 71.857,-24.143 h1.5
  text "4" at 15.964,-24.25 h1.5
  text "3" at 35.375,-24.25 h1.5
  text "0.110" at 44.747,-24.25 h1.5
  text "0.190" at 58.129,-24.25 h1.5
  text "100 Ohm" at 79.28,-24.25 h1.5
  text "Differential" at 0.355,-24.286 h1.5
  text "Symbol" at 2.25,-30.625 h1.8
  text "Hole Size" at 13.37,-30.625 h1.8
  text "Plated" at 27.12,-30.625 h1.8
  text "Drill Layer Pair" at 36.723,-30.625 h1.8
  text "Count" at 63.973,-30.625 h1.8
  text "0.200mm" at 13.37,-34.375 h1.5
  text "PTH" at 27.12,-34.375 h1.5
  text "01_Top - 04_Bottom" at 36.723,-34.375 h1.5
  text "303" at 63.973,-34.375 h1.5
  text "1.000mm" at 13.37,-38.125 h1.5
  text "NPTH" at 27.12,-38.125 h1.5
  text "01_Top - 04_Bottom" at 36.723,-38.125 h1.5
  text "20" at 63.973,-38.125 h1.5
  text "1.100mm" at 13.37,-41.875 h1.5
  text "NPTH" at 27.12,-41.875 h1.5
  text "01_Top - 04_Bottom" at 36.723,-41.875 h1.5
  text "1" at 63.973,-41.875 h1.5
  text "1.600mm" at 13.37,-45.625 h1.5
  text "NPTH" at 27.12,-45.625 h1.5
  text "01_Top - 04_Bottom" at 36.723,-45.625 h1.5
  text "1" at 63.973,-45.625 h1.5
  text "2.600mm" at 13.37,-49.375 h1.5
  text "NPTH" at 27.12,-49.375 h1.5
  text "01_Top - 04_Bottom" at 36.723,-49.375 h1.5
  text "1" at 63.973,-49.375 h1.5
  text "3.500mm" at 13.37,-53.125 h1.5
  text "NPTH" at 27.12,-53.125 h1.5
  text "01_Top - 04_Bottom" at 36.723,-53.125 h1.5
  text "1" at 63.973,-53.125 h1.5
Info:
  text "TOP" at 36.329,23.5 h3
  text "BOTTOM" at 47.82,23.5 h3

## Text inside footprints (layer, text, board x,y; h text height)
J1: Top Solder "B" at 3.3,6.141 h1 r270; Top Solder "M" at 3.3,17.891 h1 r270